# Allegro board 8880F5-0824_updates.brd (continued)
## Nets (continued)
N26496035: UNK3K12.5 UNK3R132.1
N26496039: UNK3K33.2 UNK3R82.1
N26496040: UNK3K33.4 UNK3R117.1
N26496047: UNK3K18.4 UNK3R5.1 UNK3R6.2
N26496049: UNK3K18.5 UNK3R6.1 UNK3R133.1
N26496050: UNK3C5.1 UNK3R133.2 UNK3Y1.1 UNK3Y2.1
N26496051: UNK3C6.1 UNK3R5.2 UNK3Y1.3 UNK3Y2.3
N26496080: UNK3K13.5 UNK3R120.2
N26496081: UNK3K13.4 UNK3R119.2
N26496142: UNK3J5.1 UNK3K28.5 UNK3R84.2
N26496146: UNK3J4.1 UNK3K28.4 UNK3R83.2
N26500269: UNK3J2.1 UNK3R89.1
N26500273: UNK3J3.1 UNK3R96.1
N26500275: UNK3J3.3 UNK3R93.1
N26500282: UNK3R90.1 UNK3U1.7
N26500307: UNK3J2.2 UNK3U1.3
N26500316: UNK3R97.1 UNK3U2.7
N26500343: UNK3J3.2 UNK3U2.3
N26500354: UNK3J2.3 UNK3R86.1
N26501112: UNK3CA21.1 UNK3K34.5
N26501118: UNK3CA23.1 UNK3K36.5 UNK3K36.8
N26501123: UNK3CA24.1 UNK3K37.5
N26501243: UNK3CA29.1 UNK3K42.5
N26501249: UNK3CA26.1 UNK3K39.5
N26501321: UNK3CA34.1 UNK3K31.5
N26501327: UNK3CA27.1 UNK3K40.5
N26501460: UNK3CA37.1 UNK3K39.8
N26501466: UNK3CA40.1 UNK3K42.8
N26501470: UNK3CA28.1 UNK3K40.8
N26501472: UNK3CA25.1 UNK3K37.8
N26501478: UNK3CA22.1 UNK3K34.8
N26504239: UNK4K25.3 UNK4R55.2
N26504240: UNK4K25.4 UNK4R56.1
N26504241: UNK4K25.6 UNK4R57.2
N26504242: UNK4K25.5 UNK4R58.1
N26504244: UNK4K26.3 UNK4R59.2
N26504245: UNK4K26.4 UNK4R60.1
N26504246: UNK4K26.6 UNK4R61.2
N26504247: UNK4K26.5 UNK4R62.1
N26504249: UNK4K27.5 UNK4R66.1
N26504250: UNK4K27.6 UNK4R65.2
N26504257: UNK4K22.6 UNK4R45.2
N26504258: UNK4K22.5 UNK4R46.1
N26504259: UNK4K23.3 UNK4R47.2
N26504260: UNK4K23.4 UNK4R48.1
N26504261: UNK4K23.6 UNK4R49.2
N26504262: UNK4K23.5 UNK4R50.1
N26504264: UNK4K24.3 UNK4R51.2
N26504265: UNK4K24.4 UNK4R52.1
N26504266: UNK4K24.6 UNK4R53.2
N26504267: UNK4K24.5 UNK4R54.1
N26504282: UNK4K22.3 UNK4R102.2
N26504283: UNK4K22.4 UNK4R103.1
N26504284: UNK4K27.3 UNK4R104.2
N26504285: UNK4K27.4 UNK4R105.1
N26504400: S4_RST_N.2 UNK4J1.2 UNK4K10.4 UNK4R85.2
N26504405: UNK4C7.1 UNK4J1.1
N26504440: UNK4K17.3 UNK4R71.2
N26504441: UNK4K17.4 UNK4R72.1
N26504442: UNK4K17.5 UNK4R74.1
N26504443: UNK4K17.6 UNK4R73.2
N26504444: UNK4K21.3 UNK4R75.2
N26504445: UNK4K21.4 UNK4R76.1
N26504446: UNK4K21.5 UNK4R78.1
N26504447: UNK4K21.6 UNK4R77.2
N26504448: UNK4K29.3 UNK4R79.2
N26504449: UNK4K29.4 UNK4R80.1
N26504450: UNK4K29.6 UNK4R43.2
N26504451: UNK4K29.5 UNK4R44.1
N26504452: UNK4K30.3 UNK4R63.2
N26504453: UNK4K30.4 UNK4R64.1
N26504454: UNK4K30.5 UNK4R101.1
N26504455: UNK4K30.6 UNK4R100.2
N26504536: UNK4K16.3 UNK4R67.2
N26504537: UNK4K16.4 UNK4R68.1
N26504538: UNK4K16.5 UNK4R70.1
N26504539: UNK4K16.6 UNK4R69.2
N26504561: UNK4K6.5 UNK4R30.1
N26504563: UNK4K6.3 UNK4R27.2
N26504564: UNK4K6.4 UNK4R28.1
N26504565: UNK4K6.6 UNK4R29.2
N26504566: UNK4K7.5 UNK4R34.1
N26504568: UNK4K7.3 UNK4R31.2
N26504569: UNK4K7.4 UNK4R32.1
N26504570: UNK4K7.6 UNK4R33.2
N26504612: UNK4K11.3 UNK4R39.2
N26504613: UNK4K11.4 UNK4R40.1
N26504614: UNK4K8.5 UNK4R38.1
N26504616: UNK4K8.6 UNK4R37.2
N26504617: UNK4K11.6 UNK4R41.2
N26504618: UNK4K11.5 UNK4R42.1
N26504660: UNK4K5.5 UNK4R26.1
N26504662: UNK4K5.3 UNK4R23.2
N26504663: UNK4K5.4 UNK4R24.1
N26504664: UNK4K5.6 UNK4R25.2
N26504685: UNK4K3.5 UNK4R18.1
N26504686: UNK4K3.6 UNK4R17.2
N26504687: UNK4K3.4 UNK4R16.1
N26504688: UNK4K3.3 UNK4R15.2
N26504691: UNK4K1.5 UNK4R10.1
N26504692: UNK4K1.6 UNK4R9.2
N26504693: UNK4K1.4 UNK4R8.1
N26504694: UNK4K1.3 UNK4R7.2
N26504696: UNK4K2.3 UNK4R11.2
N26504697: UNK4K2.4 UNK4R12.1
N26504698: UNK4K4.5 UNK4R22.1
N26504700: UNK4K4.3 UNK4R19.2
N26504701: UNK4K4.4 UNK4R20.1
N26504702: UNK4K4.6 UNK4R21.2
N26504703: UNK4K2.5 UNK4R14.1
N26504704: UNK4K2.6 UNK4R13.2
N26504890: UNK4K12.4 UNK4R131.1
N26504892: UNK4K12.5 UNK4R132.1
N26504896: UNK4K33.2 UNK4R82.1
N26504897: UNK4K33.4 UNK4R117.1
N26504904: UNK4K18.4 UNK4R5.1 UNK4R6.2
N26504906: UNK4K18.5 UNK4R6.1 UNK4R133.1
N26504907: UNK4C5.1 UNK4R133.2 UNK4Y1.1 UNK4Y2.1
N26504908: UNK4C6.1 UNK4R5.2 UNK4Y1.3 UNK4Y2.3
N26504937: UNK4K13.5 UNK4R120.2
N26504938: UNK4K13.4 UNK4R119.2
N26504999: UNK4J5.1 UNK4K28.5 UNK4R84.2
N26505003: UNK4J4.1 UNK4K28.4 UNK4R83.2
N26509126: UNK4J2.1 UNK4R89.1
N26509130: UNK4J3.1 UNK4R96.1
N26509132: UNK4J3.3 UNK4R93.1
N26509139: UNK4R90.1 UNK4U1.7
N26509164: UNK4J2.2 UNK4U1.3
N26509173: UNK4R97.1 UNK4U2.7
N26509200: UNK4J3.2 UNK4U2.3
N26509211: UNK4J2.3 UNK4R86.1
N26509969: UNK4CA21.1 UNK4K34.5
N26509975: UNK4CA23.1 UNK4K36.5 UNK4K36.8
N26509980: UNK4CA24.1 UNK4K37.5
N26510100: UNK4CA29.1 UNK4K42.5
N26510106: UNK4CA26.1 UNK4K39.5
N26510178: UNK4CA34.1 UNK4K31.5
N26510184: UNK4CA27.1 UNK4K40.5
N26510317: UNK4CA37.1 UNK4K39.8
N26510323: UNK4CA40.1 UNK4K42.8
N26510327: UNK4CA28.1 UNK4K40.8
N26510329: UNK4CA25.1 UNK4K37.8
N26510335: UNK4CA22.1 UNK4K34.8

Pads without a net: CSDPS225 A17 B17 C17 D17; CSDPS229 A17 B17 C17 D17; CSDPS425 A17 B17 C17 D17; CSDPS429 A17 B17 C17 D17; D101/D501 A1 A2 A3 A4 A5 A6 A7 A8 A9 A10 A11 A12 A13 A14 A15 A16 A17 B1 B2 B3 B4 B5 B6 B7 B8 B9 B10 B11 B12 B13 B14 B15 B16 B17 C1 C2 C3 C4 C5 C6 C7 C8 C9 C10 C11 C12 C13 C14 C15 C16 C17 D2 D3 D4 D5 D6 D7 D8 D9 D10 D11 D12 D13 D14 D15 D16; D102 17 A17 B17; D103 17 A17 B17; D104 17 A17 B17; D105/D505 A1 A2 A3 A4 A5 A6 A7 A8 A9 A10 A11 A12 A13 A14 A15 A16 A17 B1 B2 B3 B4 B5 B6 B7 B8 B9 B10 B11 B12 B13 B14 B15 B16 B17 C1 C2 C3 C4 C5 C6 C7 C8 C9 C10 C11 C12 C13 C14 C15 C16 C17 D2 D3 D4 D5 D6 D7 D8 D9 D10 D11 D12 D13 D14 D15 D16; D106 17 A17 B17; D107 17 A17 B17; D108 17 A17 B17; D109 17 A17 B17; D110 17 A17 B17; D111 17 A17 B17; D112 17 A17 B17; D113 17 A17 B17; D114 17 A17 B17; D115 17 A17 B17; D116 17 A17 B17; D117/D517 A1 A2 A3 A4 A5 A6 A7 A8 A9 A10 A11 A12 A13 A14 A15 A16 A17 B1 B2 B3 B4 B5 B6 B7 B8 B9 B10 B11 B12 B13 B14 B15 B16 B17 C1 C2 C3 C4 C5 C6 C7 C8 C9 C10 C11 C12 C13 C14 C15 C16 C17 D2 D3 D4 D5 D6 D7 D8 D9 D10 D11 D12 D13 D14 D15 D16; D118 17 A17 B17; D119 17 A17 B17; D120 17 A17 B17; D121/D521 A1 A2 A3 A4 A5 A6 A7 A8 A9 A10 A11 A12 A13 A14 A15 A16 A17 B1 B2 B3 B4 B5 B6 B7 B8 B9 B10 B11 B12 B13 B14 B15 B16 B17 C1 C2 C3 C4 C5 C6 C7 C8 C9 C10 C11 C12 C13 C14 C15 C16 C17 D2 D3 D4 D5 D6 D7 D8 D9 D10 D11 D12 D13 D14 D15 D16; D122 17 A17 B17; D123 17 A17 B17; D124 17 A17 B17; D125 17 A17 B17; D126 17 A17 B17; D127 17 A17 B17; D128 17 A17 B17; D129 17 A17 B17; D130 17 A17 B17; D131 17 A17 B17; D132 17 A17 B17; D301 17 A17 B17; D302 17 A17 B17; D305 17 A17 B17; D306 17 A17 B17; D309 A1 A3 A5 A7 A9 A11 A13 A15 A17 B1 B2 B3 B4 B5 B6 B7 B8 B9 B10 B11 B12 B13 B14 B15 B16 B17 C1 C2 C3 C4 C5 C6 C7 C8 C9 C10 C11 C12 C13 C14 C15 C16 C17 D2 D4 D6 D8 D10 D12 D14 D16; D313 A1 A3 A5 A7 A9 A11 A13 A15 A17 B1 B2 B3 B4 B5 B6 B7 B8 B9 B10 B11 B12 B13 B14 B15 B16 B17 C1 C2 C3 C4 C5 C6 C7 C8 C9 C10 C11 C12 C13 C14 C15 C16 C17 D2 D4 D6 D8 D10 D12 D14 D16; D317 17 A17 B17; D318 17 A17 B17; D321 17 A17 B17; D322 17 A17 B17; DPS1 A04 A08 A10 A14 B04 B08 B10 B14 C04 C08 C10 C14; DPS2 A04 A08 A10 A14 B04 B08 B10 B14 C04 C08 C10 C14; DPS3 A04 A08 A10 A14 B04 B08 B10 B14 C04 C08 C10 C14; DPS8 A04 A08 A10 A14 B04 B08 B10 B14 C04 C08 C10 C14; FD1 1; FD2 1; FD3 1; FD4 1; FD5 1; FD6 1; FD7 1; FD8 1; FD9 1; FD10 1; FD11 1; FD12 1; FD13 1; FD14 1; FD15 1; FD16 1; HX8880-F05 1; JG_220919AA01 1; JG_220919AA02 1; K1 2 7; K2 2 7; K3 2 7; K4 2 7; K5 2 7; K6 2 7; K7 2 7; K8 2 3 4 7; K10 2 5 6 7; K11 2 7; K12 2 7; K13 2 7; K16 2 7; K17 2 7; K21 2 7; K22 2 7; K23 2 7; K24 2 7; K25 2 7; K26 2 7; K27 2 7; K28 2 7; K29 2 7; K30 2 7; K31 3 8 9 10; K33 5 6 7; K34 3 10; K36 3 10; K37 3 10; K39 3 10; K40 3 10; K42 3 10; LOGO1 1; LOGO2 1; LQFP176-20X20-P0.4 1; S1_I2C 3; S2_I2C 3; S3_I2C 3; S4_I2C 3; SITE1 NUT1 NUT2 NUT3 NUT4; SITE2 NUT1 NUT2 NUT3 NUT4; SITE3 NUT1 NUT2 NUT3 NUT4; SITE4 NUT1 NUT2 NUT3 NUT4; SKB NUT1 NUT2 NUT3 NUT4; TPL1 1; TPL2 1; TPL3 1; TPL4 1; TPL5 1; TPL6 1; TPL7 1; TPL8 1; TPL9 1; TPL10 1; TPL11 1; TPL12 1; TPL13 1; TPL14 1; TPL15 1; TPL16 1; TPL17 1; TPL18 1; TPL19 1; TPL20 1; TPL21 1; TPL22 1; TPL23 1; TPL24 1; TPL25 1; TPL26 1; TPL27 1; TPL28 1; TPL29 1; TPL30 1; TPL31 1; TPL32 1; TPL33 1; TPL34 1; TPL35 1; TPL36 1; TPL37 1; TPL38 1; TPL39 1; TPL40 1; UF1 1; UF2 1; UNK2K1 2 7; UNK2K2 2 7; UNK2K3 2 7; UNK2K4 2 7; UNK2K5 2 7; UNK2K6 2 7; UNK2K7 2 7; UNK2K8 2 3 4 7; UNK2K10 2 5 6 7; UNK2K11 2 7; UNK2K12 2 7; UNK2K13 2 7; UNK2K16 2 7; UNK2K17 2 7; UNK2K21 2 7; UNK2K22 2 7; UNK2K23 2 7; UNK2K24 2 7; UNK2K25 2 7; UNK2K26 2 7; UNK2K27 2 7; UNK2K28 2 7; UNK2K29 2 7; UNK2K30 2 7; UNK2K31 3 8 9 10; UNK2K33 5 6 7; UNK2K34 3 10; UNK2K36 3 10; UNK2K37 3 10; UNK2K39 3 10; UNK2K40 3 10; UNK2K42 3 10; UNK2UF1 1; UNK2UF2 1; UNK3K1 2 7; UNK3K2 2 7; UNK3K3 2 7; UNK3K4 2 7; UNK3K5 2 7; UNK3K6 2 7; UNK3K7 2 7; UNK3K8 2 3 4 7; UNK3K10 2 5 6 7; UNK3K11 2 7; UNK3K12 2 7; UNK3K13 2 7; UNK3K16 2 7; UNK3K17 2 7; UNK3K21 2 7; UNK3K22 2 7; UNK3K23 2 7; UNK3K24 2 7; UNK3K25 2 7; UNK3K26 2 7; UNK3K27 2 7; UNK3K28 2 7; UNK3K29 2 7; UNK3K30 2 7; UNK3K31 3 8 9 10; UNK3K33 5 6 7; UNK3K34 3 10; UNK3K36 3 10; UNK3K37 3 10; UNK3K39 3 10; UNK3K40 3 10; UNK3K42 3 10; UNK3UF1 1; UNK3UF2 1; UNK4K1 2 7; UNK4K2 2 7; UNK4K3 2 7; UNK4K4 2 7; UNK4K5 2 7; UNK4K6 2 7; UNK4K7 2 7; UNK4K8 2 3 4 7; UNK4K10 2 5 6 7; UNK4K11 2 7; UNK4K12 2 7; UNK4K13 2 7; UNK4K16 2 7; UNK4K17 2 7; UNK4K21 2 7; UNK4K22 2 7; UNK4K23 2 7; UNK4K24 2 7; UNK4K25 2 7; UNK4K26 2 7; UNK4K27 2 7; UNK4K28 2 7; UNK4K29 2 7; UNK4K30 2 7; UNK4K31 3 8 9 10; UNK4K33 5 6 7; UNK4K34 3 10; UNK4K36 3 10; UNK4K37 3 10; UNK4K39 3 10; UNK4K40 3 10; UNK4K42 3 10; UNK4UF1 1; UNK4UF2 1; UNK038HX-8880F5K4Q-A100 1; UNK980HX-8880F5-KBG- 1; UTL1 A17 B17; UTL2 A17 B17; UTL3 A17 B17; UTL4 A17 B17; UTL5 A17 B17; UTL6 A17 B17; UTL7 A17 B17; UTL8 A17 B17

## Via types
v1: diameter 0.559, hole 0.305, TOP to BOTTOM, 5189 vias
v2: diameter 0.508, hole 0.305, TOP to BOTTOM, 79 vias

## Routing (per net, layer and track width the routed paths; a pad name or vN(x,y) marks a point on that pad's centre or on a via; arc(x,y) is an arc through that point)
GND: length 26384.2
  TOP w0.231: v1(241.43,247.43) 241.43,247.67 241.07,248.03 SITE1.146 ; SITE4.62 v1(340.23,182.83) ; 259.86,225.81 259.86,225.95 arc(259.85,226.04) 259.8,226.12 255.43,230.48 SITE1.34 ; v1(331.54,193.59) 331.83,193.88 SITE4.108 ; v1(323.63,175.36) 323.63,175.23 323.51,175.11 arc(323.45,175.02) 323.43,174.91 SITE4.4 ; SITE3.34 255.43,170.48 259.8,166.12 arc(259.85,166.04) 259.86,165.95 259.86,165.81 ; 333.56,165.29 333.28,165.57 arc(333.09,165.84) 333.03,166.17 SITE4.28 ; v1(323.63,235.36) 323.63,235.23 323.51,235.11 arc(323.45,235.02) 323.43,234.91 SITE2.4 ; SITE1.38 257.03,234.83 arc(256.91,235.11) 256.63,235.23 v1(256.36,235.23) ; v1(243.63,175.36) 243.63,175.23 243.51,175.11 arc(243.45,175.02) 243.43,174.91 SITE3.4 ; SITE4.128 323.83,194.23 v1(323.63,194.03) ; SITE2.62 v1(340.23,242.83) ; v1(331.54,253.59) 331.83,253.88 SITE2.108 ; SITE3.146 241.07,188.03 241.43,187.67 v1(241.43,187.43) ; v1(321.43,187.43) 321.43,187.67 321.07,188.03 SITE4.146 ; 339.86,165.81 339.86,165.95 arc(339.85,166.04) 339.8,166.12 335.43,170.48 SITE4.34 ; v1(323.63,254.03) 323.83,254.23 SITE2.128 ; v1(243.63,235.36) 243.63,235.23 243.51,235.11 arc(243.45,235.02) 243.43,234.91 SITE1.4 ; v1(336.36,235.23) 336.63,235.23 arc(336.91,235.11) 337.03,234.83 SITE2.38 ; v1(330.96,235.23) 331.03,235.16 SITE2.23 ; SITE1.62 v1(260.23,242.83) ; v1(330.96,175.23) 331.03,175.16 SITE4.23 ; SITE3.28 253.03,166.17 arc(253.09,165.84) 253.28,165.57 253.56,165.29 ; v1(250.96,235.23) 251.03,235.16 SITE1.23 ; SITE2.34 335.43,230.48 339.8,226.12 arc(339.85,226.04) 339.86,225.95 339.86,225.81 ; SITE1.128 243.83,254.23 v1(243.63,254.03) ; v1(251.54,253.59) 251.83,253.88 SITE1.108 ; SITE3.38 257.03,174.83 arc(256.91,175.11) 256.63,175.23 v1(256.36,175.23) ; v1(250.96,175.23) 251.03,175.16 SITE3.23 ; SITE2.146 321.07,248.03 321.43,247.67 v1(321.43,247.43) ; v1(336.36,175.23) 336.63,175.23 arc(336.91,175.11) 337.03,174.83 SITE4.38 ; SITE1.28 253.03,231.52 ; SITE3.62 v1(260.23,182.83) ; SITE2.28 333.03,231.52
  TOP w0.381: v1(332.83,205.56) UNK4CD13.2 ; v1(330.17,164.73) UNK4CD23.2 ; UNK3CD21.2 v1(262.36,164.73) ; v1(331.05,265.56) UNK2CD14.2 ; v1(334.61,205.56) UNK4CD4.2 ; v1(331.94,205.56) UNK4CD18.2 ; v1(352.24,242.64) UNK2CD7.2 ; v1(310.42,247.93) UNK2CD17.2 ; v1(310.42,186.66) UNK4CD6.2 ; v1(272.24,189.5) UNK3CD10.2 ; v1(329.28,164.73) UNK4CD22.2 ; v1(317.98,224.73) UNK2CD1.2 ; v1(352.24,185.18) UNK4CD15.2 ; v1(251.94,265.56) CD18.2 ; v1(249.28,224.73) CD22.2 ; v1(331.94,265.56) UNK2CD18.2 ; v1(332.83,265.56) UNK2CD13.2 ; v1(249.28,164.73) UNK3CD22.2 ; v1(310.42,243.41) UNK2CD19.2 ; v1(254.61,205.56) UNK3CD4.2 ; v1(272.24,241.37) CD3.2 ; v1(256.77,224.73) CD9.2 ; UNK4CD21.2 v1(342.36,164.73) ; v1(252.83,265.56) CD13.2 ; v1(330.17,224.73) UNK2CD23.2 ; v1(272.24,185.18) UNK3CD15.2 ; v1(272.24,183.91) UNK3CD20.2 ; v1(310.42,189.2) UNK4CD25.2 ; v1(310.42,183.41) UNK4CD19.2 ; v1(310.42,193.69) UNK4CD12.2 ; v1(331.06,164.73) UNK4CD8.2 ; v1(336.77,224.73) UNK2CD9.2 ; v1(254.61,265.56) CD4.2 ; v1(251.94,205.56) UNK3CD18.2 ; v1(310.42,253.69) UNK2CD12.2 ; v1(272.24,181.37) UNK3CD3.2 ; v1(352.24,249.5) UNK2CD10.2 ; v1(310.42,246.66) UNK2CD6.2 ; UNK3CD5.2 v1(263.63,164.73) ; v1(230.42,187.93) UNK3CD17.2 ; v1(331.06,224.73) UNK2CD8.2 ; v1(230.42,189.2) UNK3CD25.2 ; v1(272.24,249.5) CD10.2 ; v1(256.77,164.73) UNK3CD9.2 ; v1(230.42,193.69) UNK3CD12.2 ; v1(272.24,243.91) CD20.2 ; v1(352.24,241.37) UNK2CD3.2 ; v1(251.06,164.73) UNK3CD8.2 ; v1(333.72,265.56) UNK2CD16.2 ; UNK2CD21.2 v1(342.36,224.73) ; v1(230.42,186.66) UNK3CD6.2 ; v1(331.05,205.56) UNK4CD14.2 ; v1(237.98,164.73) UNK3CD1.2 ; v1(251.05,265.56) CD14.2 ; v1(352.24,245.18) UNK2CD15.2 ; v1(230.42,249.2) CD25.2 ; UNK2CD5.2 v1(343.63,224.73) ; v1(272.24,242.64) CD7.2 ; v1(327.57,265.56) UNK2CD24.2 ; v1(252.83,205.56) UNK3CD13.2 ; v1(247.57,265.56) CD24.2 ; v1(352.24,181.37) UNK4CD3.2 ; v1(336.77,164.73) UNK4CD9.2 ; UNK4CD5.2 v1(343.63,164.73) ; CD5.2 v1(263.63,224.73) ; v1(327.57,205.56) UNK4CD24.2 ; v1(253.72,265.56) CD16.2 ; v1(230.42,183.41) UNK3CD19.2 ; v1(230.42,253.69) CD12.2 ; v1(352.24,189.5) UNK4CD10.2 ; v1(352.24,243.91) UNK2CD20.2 ; v1(352.24,182.64) UNK4CD7.2 ; v1(251.05,205.56) UNK3CD14.2 ; v1(230.42,243.41) CD19.2 ; v1(247.57,205.56) UNK3CD24.2 ; v1(250.17,224.73) CD23.2 ; v1(317.98,164.73) UNK4CD1.2 ; CD21.2 v1(262.36,224.73) ; v1(259.65,265.56) CD11.2 ; v1(334.61,265.56) UNK2CD4.2 ; v1(339.65,265.56) UNK2CD11.2 ; v1(272.24,182.64) UNK3CD7.2 ; v1(250.17,164.73) UNK3CD23.2 ; v1(272.24,245.18) CD15.2 ; v1(310.42,249.2) UNK2CD25.2 ; v1(339.65,205.56) UNK4CD11.2 ; v1(329.28,224.73) UNK2CD22.2 ; v1(333.72,205.56) UNK4CD16.2 ; v1(230.42,247.93) CD17.2 ; v1(230.42,246.66) CD6.2 ; v1(251.06,224.73) CD8.2 ; v1(237.98,224.73) CD1.2 ; v1(253.72,205.56) UNK3CD16.2 ; v1(259.65,205.56) UNK3CD11.2 ; v1(310.42,187.93) UNK4CD17.2 ; v1(352.24,183.91) UNK4CD20.2
  L03_SIGNAL w0.074: SITE4.G6 333.81,181.33 ; SITE4.G6 333.33,181.81 ; SITE4.G6 333.33,180.85 ; SITE4.G6 332.85,181.33 ; 177.09,86.36 D317.A8 ; D317.A8 177.8,87.07 ; D317.A8 177.8,85.65 ; D317.A8 178.51,86.36 ; 248.33,180.85 SITE3.G1 ; SITE3.G1 248.81,181.33 ; SITE3.G1 248.33,181.81 ; SITE3.G1 247.85,181.33 ; D120.A10 183.69,35.56 ; D120.A10 182.88,34.75 ; D120.A10 182.88,36.37 ; D120.A10 182.07,35.56 ; 12.7,57.61 D127.B1 ; D127.B1 12.7,59.23 ; D127.B1 11.89,58.42 ; D127.B1 13.51,58.42 ; D305.A15 416.56,84.53 ; D305.A15 417.27,83.82 ; D305.A15 416.56,83.11 ; D305.A15 415.85,83.82 ; D127.B14 46.53,60.96 ; D127.B14 45.72,60.15 ; D127.B14 44.91,60.96 ; D127.B14 45.72,61.77 ; D318.A3 165.1,64.21 ; D318.A3 165.81,63.5 ; D318.A3 165.1,62.79 ; D318.A3 164.39,63.5 ; 95.71,73.66 D130.A5 ; D130.A5 96.52,74.47 ; D130.A5 96.52,72.85 ; D130.A5 97.33,73.66 ; 314.15,373.38 D115.A14 ; D115.A14 314.96,372.57 ; D115.A14 315.77,373.38 ; D115.A14 314.96,374.19 ; D116.B1 348.79,391.16 ; D116.B1 347.17,391.16 ; D116.B1 347.98,390.35 ; D116.B1 347.98,391.97 ; D112.A7 406.4,397.05 ; D112.A7 407.21,396.24 ; D112.A7 406.4,395.43 ; D112.A7 405.59,396.24 ; 391.16,57.61 D107.B5 ; D107.B5 390.35,58.42 ; D107.B5 391.97,58.42 ; D107.B5 391.16,59.23 ; 14.43,35.56 D128.A2 ; D128.A2 16.05,35.56 ; D128.A2 15.24,36.37 ; D128.A2 15.24,34.75 ; D112.B12 393.7,389.43 ; D112.B12 392.89,388.62 ; D112.B12 393.7,387.81 ; D112.B12 394.51,388.62 ; 327.66,57.61 D103.B9 ; D103.B9 326.85,58.42 ; D103.B9 328.47,58.42 ; D103.B9 327.66,59.23 ; 309.07,393.7 D116.A16 ; D116.A16 309.88,392.89 ; D116.A16 309.88,394.51 ; D116.A16 310.69,393.7 ; D115.A4 341.17,373.38 ; D115.A4 340.36,374.19 ; D115.A4 340.36,372.57 ; D115.A4 339.55,373.38 ; D321.B12 262.33,91.44 ; D321.B12 261.62,90.73 ; D321.B12 261.62,92.15 ; D321.B12 260.91,91.44 ; 332.74,62.79 D302.A11 ; D302.A11 332.03,63.5 ; D302.A11 332.74,64.21 ; D302.A11 333.45,63.5 ; CSDPS425.B10 252.27,342.9 ; CSDPS425.B10 250.65,342.9 ; CSDPS425.B10 251.46,342.09 ; CSDPS425.B10 251.46,343.71 ; 33.02,72.85 D126.A9 ; D126.A9 32.21,73.66 ; D126.A9 33.02,74.47 ; D126.A9 33.83,73.66 ; D113.B8 330.2,328.47 ; D113.B8 329.39,327.66 ; D113.B8 330.2,326.85 ; D113.B8 331.01,327.66 ; 194.77,78.74 D118.B15 ; D118.B15 195.58,79.55 ; D118.B15 195.58,77.93 ; D118.B15 196.39,78.74 ; D318.A12 187.96,66.75 ; D318.A12 187.25,66.04 ; D318.A12 188.67,66.04 ; D318.A12 187.96,65.33 ; D125.A2 15.24,97.33 ; D125.A2 14.43,96.52 ; D125.A2 16.05,96.52 ; D125.A2 15.24,95.71 ; D127.B8 30.48,61.77 ; D127.B8 29.67,60.96 ; D127.B8 31.29,60.96 ; D127.B8 30.48,60.15 ; 317.5,334.47 D113.A13 ; D113.A13 318.31,335.28 ; D113.A13 317.5,336.09 ; D113.A13 316.69,335.28 ; 108.41,60.96 D131.B10 ; D131.B10 110.03,60.96 ; D131.B10 109.22,61.77 ; D131.B10 109.22,60.15 ; 408.13,76.2 D106.A12 ; D106.A12 408.94,77.01 ; D106.A12 409.75,76.2 ; D106.A12 408.94,75.39 ; D122.A7 248.92,74.47 ; D122.A7 248.11,73.66 ; D122.A7 249.73,73.66 ; D122.A7 248.92,72.85 ; 248.92,62.79 D322.A7 ; D322.A7 248.92,64.21 ; D322.A7 249.63,63.5 ; D322.A7 248.21,63.5 ; D108.A5 391.16,33.83 ; D108.A5 390.35,33.02 ; D108.A5 391.97,33.02 ; D108.A5 391.16,32.21 ; 316.69,38.1 D104.B5 ; D104.B5 318.31,38.1 ; D104.B5 317.5,37.29 ; D104.B5 317.5,38.91 ; D108.B8 399.59,40.64 ; D108.B8 397.97,40.64 ; D108.B8 398.78,41.45 ; D108.B8 398.78,39.83 ; D122.B15 269.24,79.55 ; D122.B15 269.24,77.93 ; D122.B15 268.43,78.74 ; D122.B15 270.05,78.74 ; 236.22,75.39 D122.A2 ; D122.A2 236.22,77.01 ; D122.A2 235.41,76.2 ; D122.A2 237.03,76.2 ; 269.24,52.53 D123.A15 ; D123.A15 269.24,54.15 ; D123.A15 268.43,53.34 ; D123.A15 270.05,53.34 ; D306.A11 407.11,63.5 ; D306.A11 406.4,62.79 ; D306.A11 405.69,63.5 ; D306.A11 406.4,64.21 ; D321.A8 252.17,86.36 ; D321.A8 251.46,87.07 ; D321.A8 250.75,86.36 ; D321.A8 251.46,85.65 ; D114.B14 314.96,348.79 ; D114.B14 314.96,347.17 ; D114.B14 315.77,347.98 ; D114.B14 314.15,347.98 ; 339.55,60.96 D103.B14 ; D103.B14 340.36,61.77 ; D103.B14 341.17,60.96 ; D103.B14 340.36,60.15 ; D113.B1 348.79,330.2 ; D113.B1 347.98,331.01 ; D113.B1 347.17,330.2 ; D113.B1 347.98,329.39 ; D127.A11 38.1,54.15 ; D127.A11 38.1,52.53 ; D127.A11 37.29,53.34 ; D127.A11 38.91,53.34 ; SITE2.G14 330.23,243.31 ; SITE2.G14 329.75,242.83 ; SITE2.G14 330.71,242.83 ; SITE2.G14 330.23,242.35 ; 330.85,247.93 SITE2.G10 ; SITE2.G10 331.81,247.93 ; SITE2.G10 331.33,247.45 ; SITE2.G10 331.33,248.41 ; 414.02,70.41 D306.B14 ; D306.B14 414.73,71.12 ; D306.B14 413.31,71.12 ; D306.B14 414.02,71.83 ; 174.55,83.82 D317.A7 ; D317.A7 175.26,83.11 ; D317.A7 175.97,83.82 ; D317.A7 175.26,84.53 ; 174.55,63.5 D318.A7 ; D318.A7 175.26,64.21 ; D318.A7 175.26,62.79 ; D318.A7 175.97,63.5 ; 245.67,91.44 D321.B6 ; D321.B6 246.38,92.15 ; D321.B6 247.09,91.44 ; D321.B6 246.38,90.73 ; 82.37,209.04 S3_I2C.4 ; S3_I2C.4 83.31,208.1 ; S3_I2C.4 84.25,209.04 ; S3_I2C.4 83.31,209.98 ; 159.21,78.74 D118.B1 ; D118.B1 160.02,79.55 ; D118.B1 160.83,78.74 ; D118.B1 160.02,77.93 ; D231.B11 175.26,371.65 ; D231.B11 174.45,370.84 ; D231.B11 175.26,370.03 ; D231.B11 176.07,370.84 ; D128.B9 33.02,38.91 ; D128.B9 32.21,38.1 ; D128.B9 33.83,38.1 ; D128.B9 33.02,37.29 ; D120.A15 195.58,33.83 ; D120.A15 195.58,32.21 ; D120.A15 194.77,33.02 ; D120.A15 196.39,33.02 ; 162.56,39.83 D120.B2 ; D120.B2 163.37,40.64 ; D120.B2 162.56,41.45 ; D120.B2 161.75,40.64 ; D114.B12 320.85,347.98 ; D114.B12 320.04,348.79 ; D114.B12 319.23,347.98 ; D114.B12 320.04,347.17 ; 243.84,329.39 CSDPS225.C13 ; CSDPS225.C13 243.84,331.01 ; CSDPS225.C13 244.65,330.2 ; CSDPS225.C13 243.03,330.2 ; D302.A6 320.75,66.04 ; D302.A6 320.04,66.75 ; D302.A6 319.33,66.04 ; D302.A6 320.04,65.33 ; D302.B12 335.28,71.83 ; D302.B12 334.57,71.12 ; D302.B12 335.99,71.12 ; D302.B12 335.28,70.41 ; 253.19,340.36 CSDPS425.C9 ; CSDPS425.C9 254,341.17 ; CSDPS425.C9 254,339.55 ; CSDPS425.C9 254.81,340.36 ; CSDPS229.C7 186.23,330.2 ; CSDPS229.C7 185.42,329.39 ; CSDPS229.C7 185.42,331.01 ; CSDPS229.C7 184.61,330.2 ; D127.B11 38.91,58.42 ; D127.B11 38.1,57.61 ; D127.B11 37.29,58.42 ; D127.B11 38.1,59.23 ; 382.83,71.12 D306.B2 ; D306.B2 383.54,71.83 ; D306.B2 384.25,71.12 ; D306.B2 383.54,70.41 ; 192.33,71.12 D318.B14 ; D318.B14 193.04,70.41 ; D318.B14 193.75,71.12 ; D318.B14 193.04,71.83 ; D321.B13 264.87,88.9 ; D321.B13 264.16,89.61 ; D321.B13 263.45,88.9 ; D321.B13 264.16,88.19 ; D113.B7 333.55,330.2 ; D113.B7 331.93,330.2 ; D113.B7 332.74,329.39 ; D113.B7 332.74,331.01 ; 105.87,53.34 D131.A9 ; D131.A9 106.68,52.53 ; D131.A9 107.49,53.34 ; D131.A9 106.68,54.15 ; 25.4,39.83 D128.B6 ; D128.B6 26.21,40.64 ; D128.B6 24.59,40.64 ; D128.B6 25.4,41.45 ; D110.B12 394.51,347.98 ; D110.B12 393.7,348.79 ; D110.B12 393.7,347.17 ; D110.B12 392.89,347.98 ; 405.59,19.05 DPS1.C11 ; DPS1.C11 406.4,18.24 ; DPS1.C11 407.21,19.05 ; DPS1.C11 406.4,19.86 ; 386.08,395.43 D112.A15 ; D112.A15 385.27,396.24 ; D112.A15 386.89,396.24 ; D112.A15 386.08,397.05 ; 200.66,375.11 D231.A1 ; D231.A1 199.85,375.92 ; D231.A1 200.66,376.73 ; D231.A1 201.47,375.92 ; D120.B13 190.5,38.91 ; D120.B13 191.31,38.1 ; D120.B13 190.5,37.29 ; D120.B13 189.69,38.1 ; D322.B14 267.41,71.12 ; D322.B14 265.99,71.12 ; D322.B14 266.7,70.41 ; D322.B14 266.7,71.83 ; D231.A3 195.58,376.73 ; D231.A3 195.58,375.11 ; D231.A3 194.77,375.92 ; D231.A3 196.39,375.92 ; D306.A7 396.24,64.21 ; D306.A7 396.95,63.5 ; D306.A7 396.24,62.79 ; D306.A7 395.53,63.5 ; SITE1.G6 253.33,241.81 ; SITE1.G6 252.85,241.33 ; SITE1.G6 253.33,240.85 ; SITE1.G6 253.81,241.33 ; 164.39,83.82 D317.A3 ; D317.A3 165.81,83.82 ; D317.A3 165.1,84.53 ; D317.A3 165.1,83.11 ; D124.B4 241.3,41.45 ; D124.B4 242.11,40.64 ; D124.B4 240.49,40.64 ; D124.B4 241.3,39.83 ; 118.57,101.6 D129.B14 ; D129.B14 120.19,101.6 ; D129.B14 119.38,100.79 ; D129.B14 119.38,102.41 ; 398.78,90.73 D305.B8 ; D305.B8 399.49,91.44 ; D305.B8 398.78,92.15 ; D305.B8 398.07,91.44 ; D317.A2 162.56,87.07 ; D317.A2 162.56,85.65 ; D317.A2 161.85,86.36 ; D317.A2 163.27,86.36 ; D109.B9 402.13,330.2 ; D109.B9 400.51,330.2 ; D109.B9 401.32,331.01 ; D109.B9 401.32,329.39 ; D102.B1 308.15,78.74 ; D102.B1 306.53,78.74 ; D102.B1 307.34,77.93 ; D102.B1 307.34,79.55 ; 34.75,60.96 D127.B10 ; D127.B10 35.56,60.15 ; D127.B10 36.37,60.96 ; D127.B10 35.56,61.77 ; 182.88,70.41 D318.B10 ; D318.B10 182.17,71.12 ; D318.B10 183.59,71.12 ; D318.B10 182.88,71.83 ; D318.B8 178.51,71.12 ; D318.B8 177.09,71.12 ; D318.B8 177.8,71.83 ; D318.B8 177.8,70.41 ; 164.29,340.36 CSDPS429.C15 ; CSDPS429.C15 165.1,339.55 ; CSDPS429.C15 165.1,341.17 ; CSDPS429.C15 165.91,340.36 ; D108.A1 381.81,33.02 ; D108.A1 381,33.83 ; D108.A1 380.19,33.02 ; D108.A1 381,32.21 ; D118.A14 193.04,77.01 ; D118.A14 193.04,75.39 ; D118.A14 193.85,76.2 ; D118.A14 192.23,76.2 ; 256.54,65.33 D322.A10 ; D322.A10 256.54,66.75 ; D322.A10 255.83,66.04 ; D322.A10 257.25,66.04 ; 392.89,81.28 D106.B6 ; D106.B6 393.7,82.09 ; D106.B6 393.7,80.47 ; D106.B6 394.51,81.28 ; CSDPS229.C13 170.99,330.2 ; CSDPS229.C13 169.37,330.2 ; CSDPS229.C13 170.18,331.01 ; CSDPS229.C13 170.18,329.39 ; 340.36,65.33 D302.A14 ; D302.A14 340.36,66.75 ; D302.A14 339.65,66.04 ; D302.A14 341.07,66.04 ; 403.05,388.62 D112.B8 ; D112.B8 404.67,388.62 ; D112.B8 403.86,389.43 ; D112.B8 403.86,387.81 ; D114.B6 335.28,348.79 ; D114.B6 334.47,347.98 ; D114.B6 335.28,347.17 ; D114.B6 336.09,347.98 ; 345.44,326.85 D113.B2 ; D113.B2 345.44,328.47 ; D113.B2 344.63,327.66 ; D113.B2 346.25,327.66 ; D123.B13 264.97,58.42 ; D123.B13 264.16,59.23 ; D123.B13 264.16,57.61 ; D123.B13 263.35,58.42 ; D122.B16 272.59,81.28 ; D122.B16 270.97,81.28 ; D122.B16 271.78,82.09 ; D122.B16 271.78,80.47 ; D103.B12 335.28,61.77 ; D103.B12 334.47,60.96 ; D103.B12 335.28,60.15 ; D103.B12 336.09,60.96 ; D126.B8 31.29,81.28 ; D126.B8 30.48,80.47 ; D126.B8 30.48,82.09 ; D126.B8 29.67,81.28 ; D123.A3 239.57,53.34 ; D123.A3 237.95,53.34 ; D123.A3 238.76,52.53 ; D123.A3 238.76,54.15 ; 165.1,32.21 D120.A3 ; D120.A3 165.1,33.83 ; D120.A3 165.91,33.02 ; D120.A3 164.29,33.02 ; D131.A10 110.03,55.88 ; D131.A10 109.22,55.07 ; D131.A10 109.22,56.69 ; D131.A10 108.41,55.88 ; D113.B14 314.96,328.47 ; D113.B14 314.96,326.85 ; D113.B14 315.77,327.66 ; D113.B14 314.15,327.66 ; 243.84,13.16 DPS3.A05 ; DPS3.A05 243.84,14.78 ; DPS3.A05 243.03,13.97 ; DPS3.A05 244.65,13.97 ; D115.A7 332.74,376.73 ; D115.A7 333.55,375.92 ; D115.A7 332.74,375.11 ; D115.A7 331.93,375.92 ; 398.07,86.36 D305.A8 ; D305.A8 398.78,85.65 ; D305.A8 399.49,86.36 ; D305.A8 398.78,87.07 ; SITE1.G12 253.81,247.93 ; SITE1.G12 253.33,247.45 ; SITE1.G12 252.85,247.93 ; SITE1.G12 253.33,248.41 ; D116.A11 322.58,397.05 ; D116.A11 321.77,396.24 ; D116.A11 322.58,395.43 ; D116.A11 323.39,396.24 ; D109.B11 396.24,331.01 ; D109.B11 397.05,330.2 ; D109.B11 395.43,330.2 ; D109.B11 396.24,329.39 ; D130.B9 107.49,78.74 ; D130.B9 105.87,78.74 ; D130.B9 106.68,77.93 ; D130.B9 106.68,79.55 ; CSDPS225.B16 237.03,332.74 ; CSDPS225.B16 236.22,333.55 ; CSDPS225.B16 236.22,331.93 ; CSDPS225.B16 235.41,332.74 ; D132.A7 102.41,33.02 ; D132.A7 101.6,33.83 ; D132.A7 101.6,32.21 ; D132.A7 100.79,33.02 ; D120.B8 178.61,40.64 ; D120.B8 177.8,41.45 ; D120.B8 177.8,39.83 ; D120.B8 176.99,40.64 ; UNK2U2.4 482.49,215.88 ; UNK2U2.4 481.55,214.94 ; UNK2U2.4 483.43,214.94 ; UNK2U2.4 482.49,214 ; 396.24,349.71 D110.B11 ; D110.B11 396.24,351.33 ; D110.B11 395.43,350.52 ; D110.B11 397.05,350.52 ; 189.69,58.42 D119.B13 ; D119.B13 190.5,57.61 ; D119.B13 190.5,59.23 ; D119.B13 191.31,58.42 ; 344.63,60.96 D103.B16 ; D103.B16 345.44,61.77 ; D103.B16 346.25,60.96 ; D103.B16 345.44,60.15 ; D128.A10 35.56,36.37 ; D128.A10 36.37,35.56 ; D128.A10 34.75,35.56 ; D128.A10 35.56,34.75 ; 408.23,71.12 D306.B12 ; D306.B12 408.94,71.83 ; D306.B12 409.65,71.12 ; D306.B12 408.94,70.41 ; 118.57,55.88 D131.A14 ; D131.A14 120.19,55.88 ; D131.A14 119.38,55.07 ; D131.A14 119.38,56.69 ; 113.49,35.56 D132.A12 ; D132.A12 114.3,36.37 ; D132.A12 114.3,34.75 ; D132.A12 115.11,35.56 ; SITE1.G7 248.81,247.93 ; SITE1.G7 248.33,247.45 ; SITE1.G7 247.85,247.93 ; SITE1.G7 248.33,248.41 ; D104.A6 320.85,35.56 ; D104.A6 319.23,35.56 ; D104.A6 320.04,36.37 ; D104.A6 320.04,34.75 ; DPS2.C01 347.98,411.02 ; DPS2.C01 347.98,409.4 ; DPS2.C01 348.79,410.21 ; DPS2.C01 347.17,410.21 ; D118.B8 177.8,82.09 ; D118.B8 177.8,80.47 ; D118.B8 176.99,81.28 ; D118.B8 178.61,81.28 ; 22.05,38.1 D128.B5 ; D128.B5 23.67,38.1 ; D128.B5 22.86,37.29 ; D128.B5 22.86,38.91 ; D123.B1 233.68,59.23 ; D123.B1 233.68,57.61 ; D123.B1 232.87,58.42 ; D123.B1 234.49,58.42 ; CSDPS225.B10 252.27,332.74 ; CSDPS225.B10 251.46,331.93 ; CSDPS225.B10 251.46,333.55 ; CSDPS225.B10 250.65,332.74 ; 185.42,67.87 D318.B11 ; D318.B11 184.71,68.58 ; D318.B11 185.42,69.29 ; D318.B11 186.13,68.58 ; 327.66,52.53 D103.A9 ; D103.A9 326.85,53.34 ; D103.A9 328.47,53.34 ; D103.A9 327.66,54.15 ; 342.9,57.61 D103.B15 ; D103.B15 343.71,58.42 ; D103.B15 342.9,59.23 ; D103.B15 342.09,58.42 ; 169.37,386.08 D431.A13 ; D431.A13 170.18,385.27 ; D431.A13 170.99,386.08 ; D431.A13 170.18,386.89 ; 396.24,370.03 D111.B11 ; D111.B11 395.43,370.84 ; D111.B11 396.24,371.65 ; D111.B11 397.05,370.84 ; 86.36,57.61 D131.B1 ; D131.B1 86.36,59.23 ; D131.B1 85.55,58.42 ; D131.B1 87.17,58.42 ; D123.B10 256.54,61.77 ; D123.B10 255.73,60.96 ; D123.B10 257.35,60.96 ; D123.B10 256.54,60.15 ; 335.28,55.07 D103.A12 ; D103.A12 335.28,56.69 ; D103.A12 334.47,55.88 ; D103.A12 336.09,55.88 ; 124.46,60.15 D131.B16 ; D131.B16 124.46,61.77 ; D131.B16 123.65,60.96 ; D131.B16 125.27,60.96 ; D108.A4 388.62,36.37 ; D108.A4 387.81,35.56 ; D108.A4 388.62,34.75 ; D108.A4 389.43,35.56 ; 335.28,39.83 D104.B12 ; D104.B12 335.28,41.45 ; D104.B12 336.09,40.64 ; D104.B12 334.47,40.64 ; 391.16,349.71 D110.B13 ; D110.B13 391.16,351.33 ; D110.B13 390.35,350.52 ; D110.B13 391.97,350.52 ; 164.29,73.66 D118.A3 ; D118.A3 165.1,72.85 ; D118.A3 165.1,74.47 ; D118.A3 165.91,73.66 ; 398.78,70.41 D306.B8 ; D306.B8 398.78,71.83 ; D306.B8 399.49,71.12 ; D306.B8 398.07,71.12 ; D102.A12 336.09,76.2 ; D102.A12 334.47,76.2 ; D102.A12 335.28,75.39 ; D102.A12 335.28,77.01 ; D318.B1 160.02,69.29 ; D318.B1 160.73,68.58 ; D318.B1 159.31,68.58 ; D318.B1 160.02,67.87 ; 124.46,95.71 D129.A16 ; D129.A16 125.27,96.52 ; D129.A16 124.46,97.33 ; D129.A16 123.65,96.52 ; 235.41,60.96 D123.B2 ; D123.B2 236.22,60.15 ; D123.B2 237.03,60.96 ; D123.B2 236.22,61.77 ; D111.A14 388.62,374.19 ; D111.A14 387.81,373.38 ; D111.A14 388.62,372.57 ; D111.A14 389.43,373.38 ; 192.23,373.38 D231.A4 ; D231.A4 193.04,372.57 ; D231.A4 193.85,373.38 ; D231.A4 193.04,374.19 ; 177.8,342.09 CSDPS429.B10 ; CSDPS429.B10 177.8,343.71 ; CSDPS429.B10 176.99,342.9 ; CSDPS429.B10 178.61,342.9 ; D112.A13 391.97,396.24 ; D112.A13 390.35,396.24 ; D112.A13 391.16,395.43 ; D112.A13 391.16,397.05 ; D123.A1 234.49,53.34 ; D123.A1 232.87,53.34 ; D123.A1 233.68,54.15 ; D123.A1 233.68,52.53 ; D109.A15 386.89,335.28 ; D109.A15 385.27,335.28 ; D109.A15 386.08,334.47 ; D109.A15 386.08,336.09 ; D115.B7 333.55,370.84 ; D115.B7 332.74,370.03 ; D115.B7 332.74,371.65 ; D115.B7 331.93,370.84 ; 165.1,77.93 D118.B3 ; D118.B3 165.1,79.55 ; D118.B3 164.29,78.74 ; D118.B3 165.91,78.74 ; D102.A13 337.82,74.47 ; D102.A13 338.63,73.66 ; D102.A13 337.01,73.66 ; D102.A13 337.82,72.85 ; 325.12,392.89 D116.A10 ; D116.A10 325.93,393.7 ; D116.A10 325.12,394.51 ; D116.A10 324.31,393.7 ; D125.B11 38.1,99.87 ; D125.B11 38.1,98.25 ; D125.B11 38.91,99.06 ; D125.B11 37.29,99.06 ; 44.91,101.6 D125.B14 ; D125.B14 45.72,100.79 ; D125.B14 45.72,102.41 ; D125.B14 46.53,101.6 ; 179.53,58.42 D119.B9 ; D119.B9 180.34,57.61 ; D119.B9 180.34,59.23 ; D119.B9 181.15,58.42 ; 24.59,76.2 D126.A6 ; D126.A6 25.4,77.01 ; D126.A6 25.4,75.39 ; D126.A6 26.21,76.2 ; 319.33,86.36 D301.A6 ; D301.A6 320.75,86.36 ; D301.A6 320.04,85.65 ; D301.A6 320.04,87.07 ; 235.51,66.04 D322.A2 ; D322.A2 236.22,65.33 ; D322.A2 236.22,66.75 ; D322.A2 236.93,66.04 ; D131.B14 119.38,61.77 ; D131.B14 118.57,60.96 ; D131.B14 120.19,60.96 ; D131.B14 119.38,60.15 ; 29.67,101.6 D125.B8 ; D125.B8 30.48,100.79 ; D125.B8 30.48,102.41 ; D125.B8 31.29,101.6 ; D302.B3 313.13,68.58 ; D302.B3 311.71,68.58 ; D302.B3 312.42,67.87 ; D302.B3 312.42,69.29 ; 248.55,246.43 SITE1.G17 ; SITE1.G17 249.03,246.91 ; SITE1.G17 249.03,245.95 ; SITE1.G17 249.51,246.43 ; 403.05,35.56 D108.A10 ; D108.A10 404.67,35.56 ; D108.A10 403.86,36.37 ; D108.A10 403.86,34.75 ; 85.55,33.02 D132.A1 ; D132.A1 86.36,32.21 ; D132.A1 87.17,33.02 ; D132.A1 86.36,33.83 ; 187.15,342.9 CSDPS429.B6 ; CSDPS429.B6 187.96,342.09 ; CSDPS429.B6 187.96,343.71 ; CSDPS429.B6 188.77,342.9 ; 383.54,55.07 D107.A2 ; D107.A2 383.54,56.69 ; D107.A2 384.35,55.88 ; D107.A2 382.73,55.88 ; D102.B12 336.09,81.28 ; D102.B12 335.28,80.47 ; D102.B12 335.28,82.09 ; D102.B12 334.47,81.28 ; DPS3.C11 259.08,19.86 ; DPS3.C11 258.27,19.05 ; DPS3.C11 259.89,19.05 ; DPS3.C11 259.08,18.24 ; D321.B9 254,89.61 ; D321.B9 254.71,88.9 ; D321.B9 254,88.19 ; D321.B9 253.29,88.9 ; D103.A13 338.63,53.34 ; D103.A13 337.01,53.34 ; D103.A13 337.82,54.15 ; D103.A13 337.82,52.53 ; 245.57,76.2 D122.A6 ; D122.A6 246.38,75.39 ; D122.A6 247.19,76.2 ; D122.A6 246.38,77.01 ; 347.98,370.03 D115.B1 ; D115.B1 347.17,370.84 ; D115.B1 348.79,370.84 ; D115.B1 347.98,371.65 ; D107.A3 386.89,53.34 ; D107.A3 385.27,53.34 ; D107.A3 386.08,54.15 ; D107.A3 386.08,52.53 ; D302.A2 309.88,66.75 ; D302.A2 310.59,66.04 ; D302.A2 309.88,65.33 ; D302.A2 309.17,66.04 ; CSDPS425.C3 269.24,341.17 ; CSDPS425.C3 270.05,340.36 ; CSDPS425.C3 268.43,340.36 ; CSDPS425.C3 269.24,339.55 ; 103.33,40.64 D132.B8 ; D132.B8 104.14,41.45 ; D132.B8 104.95,40.64 ; D132.B8 104.14,39.83 ; 306.53,33.02 D104.A1 ; D104.A1 307.34,32.21 ; D104.A1 308.15,33.02 ; D104.A1 307.34,33.83 ; D130.B14 120.19,81.28 ; D130.B14 118.57,81.28 ; D130.B14 119.38,80.47 ; D130.B14 119.38,82.09 ; 342.09,53.34 D103.A15 ; D103.A15 342.9,54.15 ; D103.A15 343.71,53.34 ; D103.A15 342.9,52.53 ; D112.B15 386.08,391.97 ; D112.B15 386.89,391.16 ; D112.B15 385.27,391.16 ; D112.B15 386.08,390.35 ; D108.B7 397.05,38.1 ; D108.B7 396.24,37.29 ; D108.B7 396.24,38.91 ; D108.B7 395.43,38.1 ; 393.7,352.25 D110.A12 ; D110.A12 393.7,353.87 ; D110.A12 394.51,353.06 ; D110.A12 392.89,353.06 ; D107.B6 394.51,60.96 ; D107.B6 393.7,60.15 ; D107.B6 393.7,61.77 ; D107.B6 392.89,60.96 ; 268.43,73.66 D122.A15 ; D122.A15 269.24,72.85 ; D122.A15 269.24,74.47 ; D122.A15 270.05,73.66 ; 334.47,332.74 D113.A6 ; D113.A6 335.28,333.55 ; D113.A6 335.28,331.93 ; D113.A6 336.09,332.74 ; D128.B2 15.24,41.45 ; D128.B2 15.24,39.83 ; D128.B2 16.05,40.64 ; D128.B2 14.43,40.64 ; D127.B9 33.02,59.23 ; D127.B9 33.02,57.61 ; D127.B9 32.21,58.42 ; D127.B9 33.83,58.42 ; 44.91,76.2 D126.A14 ; D126.A14 45.72,75.39 ; D126.A14 45.72,77.01 ; D126.A14 46.53,76.2 ; D123.A7 249.73,53.34 ; D123.A7 248.11,53.34 ; D123.A7 248.92,52.53 ; D123.A7 248.92,54.15 ; SITE1.G16 252.63,243.31 ; SITE1.G16 252.63,242.35 ; SITE1.G16 252.15,242.83 ; SITE1.G16 253.11,242.83 ; D102.B11 333.55,78.74 ; D102.B11 332.74,77.93 ; D102.B11 332.74,79.55 ; D102.B11 331.93,78.74 ; CSDPS429.C9 181.15,340.36 ; CSDPS429.C9 180.34,341.17 ; CSDPS429.C9 179.53,340.36 ; CSDPS429.C9 180.34,339.55 ; D318.B7 175.26,69.29 ; D318.B7 175.97,68.58 ; D318.B7 174.55,68.58 ; D318.B7 175.26,67.87 ; D431.B17 160.83,381 ; D431.B17 160.02,381.81 ; D431.B17 160.02,380.19 ; D431.B17 159.21,381 ; D114.B11 323.39,350.52 ; D114.B11 322.58,351.33 ; D114.B11 322.58,349.71 ; D114.B11 321.77,350.52 ; D120.B3 165.91,38.1 ; D120.B3 164.29,38.1 ; D120.B3 165.1,37.29 ; D120.B3 165.1,38.91 ; D431.B3 196.39,381 ; D431.B3 194.77,381 ; D431.B3 195.58,380.19 ; D431.B3 195.58,381.81 ; 261.62,55.07 D123.A12 ; D123.A12 261.62,56.69 ; D123.A12 262.43,55.88 ; D123.A12 260.81,55.88 ; D116.A7 332.74,397.05 ; D116.A7 331.93,396.24 ; D116.A7 332.74,395.43 ; D116.A7 333.55,396.24 ; D321.A10 257.25,86.36 ; D321.A10 256.54,85.65 ; D321.A10 256.54,87.07 ; D321.A10 255.83,86.36 ; D302.B15 343.61,68.58 ; D302.B15 342.9,69.29 ; D302.B15 342.19,68.58 ; D302.B15 342.9,67.87 ; 96.52,57.61 D131.B5 ; D131.B5 95.71,58.42 ; D131.B5 96.52,59.23 ; D131.B5 97.33,58.42 ; 184.61,381 D431.B7 ; D431.B7 185.42,381.81 ; D431.B7 186.23,381 ; D431.B7 185.42,380.19 ; 246.38,70.41 D322.B6 ; D322.B6 